# Altium PCB shepherd_pcb_v2.2.PcbDoc (part 1 of 3) (continued)
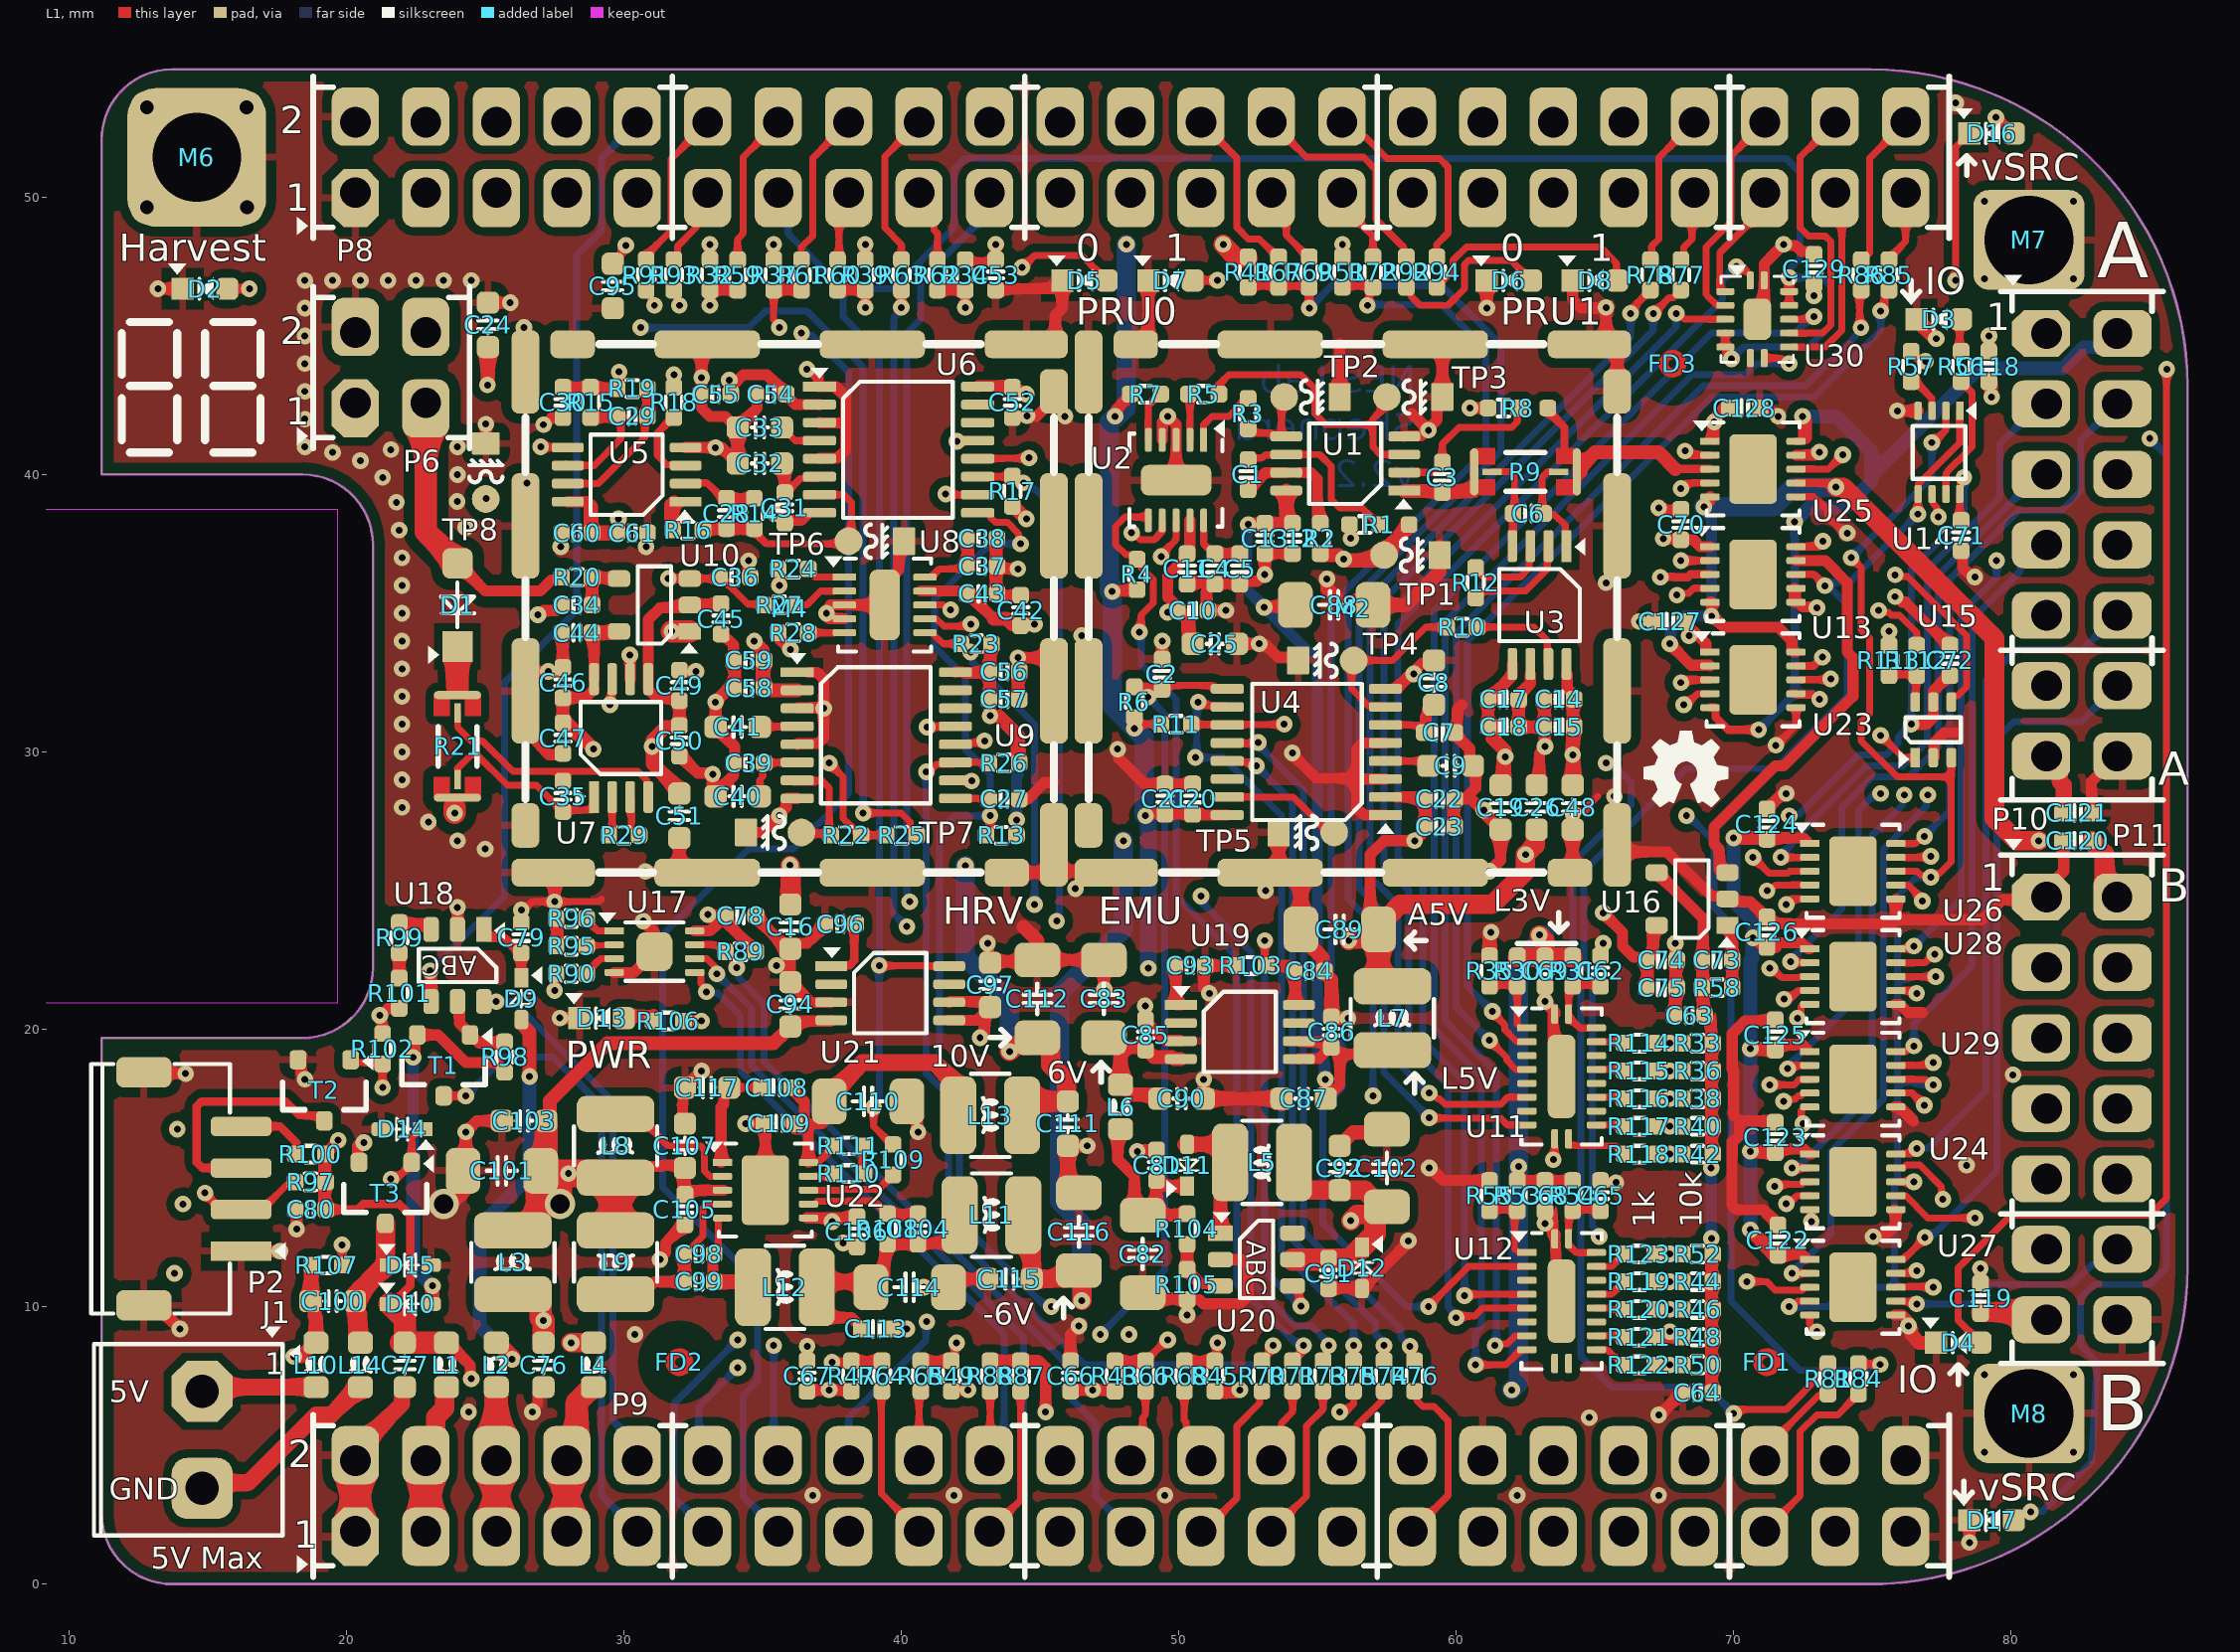
[diagram p0: L1 view]
## Components (designator, comment, footprint, x,y, rotation, side; value= is the part's Value field where it differs from the comment) (continued)
C97 "C_0603_10uF_16V" CAPC1608X09 43.2,21.6 r270 top value=10uF
C98 "C_0402_1uF_25V" CAPC1005X06 32.7,11.9 r0 top value=1uF
C99 "C_0402_1uF_25V" CAPC1005X06 32.7,10.9 r180 top value=1uF
C100 "C_0603_10uF_16V" CAPC1608X09 19.5,10.2 r180 top value=10uF
C101 "C_1206_100uF_6V3" CAPC3216X18 25.6,14.9 r0 top value=100uF
C102 "C_1206_100uF_6V3" CAPC3216X18 57.5,15 r270 top value=100uF
C103 "C_0603_10uF_16V" CAPC1608X09 26.4,16.7 r0 top value=10uF
C104 "C_0402_47pF_50V" CAPC1005X06 40.6,12.8 r270 top value=47pF
C105 "C_0402_100nF_16V" CAPC1005X06 32.2,13.5 r90 top value=100nF
C106 "C_0402_1uF_25V" CAPC1005X06 38.4,12.7 r270 top value=1uF
C107 "C_0603_10uF_16V" CAPC1608X09 32.2,15.8 r270 top value=10uF
C108 "C_0402_100nF_16V" CAPC1005X06 35.5,17.9 r0 top value=100nF
C109 "C_0402_1uF_25V" CAPC1005X06 35.6,16.6 r0 top value=1uF
C110 "C_1206_47uF_10V" CAPC3216X18 38.8,17.4 r180 top value=47uF
C111 "C_0603_10uF_16V" CAPC1608X09 46,16.6 r90 top value=10uF
C112 "C_1206_47uF_10V" CAPC3216X18 44.9,21.1 r270 top value=47uF
C113 "C_0402_1uF_25V" CAPC1005X06 39.1,9.2 r180 top value=1uF
C114 "C_1206_47uF_10V" CAPC3216X18 40.3,10.7 r180 top value=47uF
C115 "C_0603_10uF_16V" CAPC1608X09 43.9,11 r0 top value=10uF
C116 "C_1206_47uF_10V" CAPC3216X18 46.4,12.7 r270 top value=47uF
C117 "C_0603_10uF_16V" CAPC1608X09 33,17.9 r0 top value=10uF
C118 "C_0402_100nF_16V" CAPC1005X06 79.2,43.9 r270 top value=100nF
C119 "C_0402_1uF_25V" CAPC1005X06 78.9,10.3 r270 top value=1uF
C120 "C_0402_100nF_16V" CAPC1005X06 82.4,26.8 r0 top value=100nF
C121 "C_0402_1uF_25V" CAPC1005X06 82.4,27.8 r180 top value=1uF
C122 "C_0402_100nF_16V" CAPC1005X06 71.6,12.4 r270 top value=100nF
C123 "C_0402_100nF_16V" CAPC1005X06 71.5,16.1 r270 top value=100nF
C124 "C_0402_100nF_16V" CAPC1005X06 71.2,27.4 r270 top value=100nF
C125 "C_0402_100nF_16V" CAPC1005X06 71.5,19.8 r270 top value=100nF
C126 "C_0402_100nF_16V" CAPC1005X06 71.2,23.5 r270 top value=100nF
C127 "C_0402_100nF_16V" CAPC1005X06 67.7,34.7 r0 top value=100nF
C128 "C_0402_100nF_16V" CAPC1005X06 70.4,42.4 r180 top value=100nF
C129 "C_0402_100nF_16V" CAPC1005X06 72.9,47.4 r270 top value=100nF
D1 "D_SOD123W_710mV_1A" SODFL350X110-2N 24,35.3 r90 top value="710mV / 100V"
D2 "D_LED_0603_Amber" "DIOM1608X02N Orange" 14.9,46.7 r0 top value=Amber
D3 "D_LED_0603_Amber" "DIOM1608X02N Orange" 77.4,45.6 r0 top value=Amber
D4 "D_LED_0603_Amber" "DIOM1608X02N Orange" 78.1,8.7 r0 top value=Amber
D5 "D_LED_0603_Amber" "DIOM1608X02N Orange" 46.6,47 r0 top value=Amber
D6 "D_LED_0603_Amber" "DIOM1608X02N Orange" 61.9,47 r0 top value=Amber
D7 "D_LED_0603_Green" "DIOM1608X02N Green" 49.7,47 r0 top value=Green
D8 "D_LED_0603_Green" "DIOM1608X02N Green" 65,47 r0 top value=Green
D9 "D_SOD523_370mV_500mA" SODFL160X70-2N 26.3,21.1 r270 top value="370mV / 30V"
D10 "D_SOD523_370mV_500mA" SODFL160X70-2N 22.3,10.1 r0 top value="370mV / 30V"
D11 "D_SOD523_370mV_500mA" SODFL160X70-2N 50.3,15.1 r90 top value="370mV / 30V"
D12 "D_SOD523_370mV_500mA" SODFL160X70-2N 56.6,11.4 r270 top value="370mV / 30V"
D13 "D_LED_0603_Green" "DIOM1608X02N Green" 29.2,20.4 r0 top value=Green
D14 "D_SOD523_370mV_500mA" SODFL160X70-2N 22,16.4 r180 top value="370mV / 30V"
D15 "D_SOD523_370mV_500mA" SODFL160X70-2N 22.3,11.5 r0 top value="370mV / 30V"
D16 "D_LED_0603_Green" "DIOM1608X02N Green" 79.3,52.3 r0 top value=Green
D17 "D_LED_0603_Green" "DIOM1608X02N Green" 79.3,2.3 r0 top value=Green
FD1 "Fiducial" M_Fiducial_3mm 71.2,8 r0 top locked
FD2 "Fiducial" M_Fiducial_3mm 32,8 r0 top locked
FD3 "Fiducial" M_Fiducial_3mm 67.8,44 r0 top locked
J1 "J_T1x2_3.5mm_Screw" P_Phoenix_1984617 14.8,5.2 r270 top locked
L1 "FB_0603_Z600R_1300mA" INDC1608X08 23.6,7.9 r90 top value=150mR
L2 "FB_0603_Z600R_1300mA" INDC1608X08 25.4,7.9 r270 top value=150mR
L3 "NR3015T1R5M" INDP3030X15N 26,11.6 r90 top value=1.5uH
L4 "FB_0603_Z600R_1300mA" INDC1608X08 28.9,7.9 r90 top value=150mR
L5 "NR3015T150M" INDP3030X15N 53,15.2 r180 top value=15uH
L6 "FB_0603_Z600R_1300mA" INDC1608X08 47.9,17.2 r90 top value=150mR
L7 "NR3015T1R5M" INDP3030X15N 57.7,20.4 r90 top value=1.5uH
L8 "NR3015T150M" INDP3030X15N 29.7,15.8 r90 top value=15uH
L9 "NR3015T150M" INDP3030X15N 29.7,11.6 r270 top value=15uH
L10 "FB_0603_Z600R_1300mA" INDC1608X08 18.9,7.9 r90 top value=150mR
L11 "NR3015T1R5M" INDP3030X15N 43.25,13.3 r0 top value=1.5uH
L12 "NR3015T150M" INDP3030X15N 35.8,10.7 r0 top value=15uH
L13 "NR3015T1R5M" INDP3030X15N 43.2,16.9 r0 top value=1.5uH
L14 "FB_0603_Z600R_1300mA" INDC1608X08 20.5,7.9 r90 top value=150mR
M2 "SMS-455Frame" SMS-455F 46.25,25.15 r0 top locked
M4 "SMS-455Frame" SMS-455F 25.95,25.15 r0 top locked
M6 "Mounting_Hole" M_Mountinghole_3.2mm 14.605,51.435 r0 top locked
M7 "Mounting_Hole" M_Mountinghole_3.2mm_min 80.645,48.46 r0 top locked
M8 "Mounting_Hole" M_Mountinghole_3.2mm_min 80.645,6.15 r0 top locked
P2 "JST_S4B_ZR-SM4A" P_JST_S4B-ZR-SM4A 16.2,12 r180 top locked
P6 "HDR_2x2_2.54mm_header" P_Pinheader_2x2_R2.54mm 20.32,42.584 r0 top
P8 "Beaglebone P8" P_Pinheader_2x23_R2.54mm_LongPinHeader 20.32,50.165 r0 top locked
P9 "Beaglebone P9" P_Pinheader_2x23_R2.54mm_LongPinHeader 20.32,1.905 r0 top locked
P10 "HDR_2x7_2.54mm_header" P_Pinheader_2x7_R2.54mm_target 81.28,45.088 r270 top locked
P11 "HDR_2x7_2.54mm_header" P_Pinheader_2x7_R2.54mm_male 81.28,24.768 r270 top locked
P12 "HDR_1x3_jmp" P_Pinheader_1x3_R2.54mm_SMD 13.1,16.74 r270 bottom
R1 "R_0402_1k" RESC1005X04-SEL 56.7,38.2 r0 top value=1k
R2 "R_0402_2R" RESC1005X04 55.1,37.7 r270 top value=2R
R3 "R_0402_1k" RESC1005X04 52.5,42.2 r270 top value=1k
R4 "R_0402_10k" RESC1005X04 48.5,36.4 r270 top value=10k
R5 "R_0402_1k" RESC1005X04 50.9,42.9 r0 top value=1k
R6 "R_0402_10k" RESC1005X04 48.4,31.8 r90 top value=10k
R7 "R_0402_10k" RESC1005X04 48.8,42.9 r180 top value=10k
R8 "R_0402_1k" RESC1005X04-SEL 61.7,42.4 r0 top value=1k
R9 "R_1206_2R_0.25%" "RESC3116X06 Shunt" 62.5,40.1 r0 top value=2R
R10 "R_0402_100k_1%" RESC1005X04 60.2,34.5 r180 top value=100k
R11 "R_0402_10k" RESC1005X04 49.9,31 r0 top value=10k
R12 "R_0402_210R_0.1%" RESC1005X04 60.7,36.1 r270 top value=210R
R13 "R_0402_10k" RESC1005X04 43.6,27 r180 top value=10k
R14 "R_0402_1k" RESC1005X04 34.7,38.6 r270 top value=1k
R15 "R_0402_1k" RESC1005X04 28.8,42.6 r90 top value=1k
R16 "R_0402_1k" RESC1005X04 32.3,38 r0 top value=1k
R17 "R_0402_10k" RESC1005X04 44,39.4 r270 top value=10k
R18 "R_0402_1k" RESC1005X04 31.8,42.6 r270 top value=1k
R19 "R_0402_10R" RESC1005X04 30.3,43.1 r180 top value=10R
R20 "R_0402_1k" RESC1005X04 28.3,36.3 r180 top value=1k
R21 "R_1206_2R_0.25%" "RESC3116X06 Shunt" 24,30.2 r270 top value=2R
R22 "R_0402_100k_1%" RESC1005X04 38,27 r180 top value=100k
R23 "R_0402_10k" RESC1005X04 42.7,33.9 r0 top value=10k
R24 "R_0402_1k" RESC1005X04 36.1,36.6 r180 top value=1k
R25 "R_0402_470R" RESC1005X04 40,27 r180 top value=470R
R26 "R_0402_10k" RESC1005X04 43.7,29.6 r0 top value=10k
R27 "R_0402_1k" RESC1005X04 35.6,35.3 r180 top value=1k
R28 "R_0402_10k" RESC1005X04 36.1,34.3 r180 top value=10k
R29 "R_0402_210R_0.1%" RESC1005X04 30,27 r180 top value=210R
R30 "R_0402_1M" RESC1005X04 62.2,22.1 r90 top value=1M
R31 "R_0402_240k_1%" RESC1005X04 64.2,22.1 r90 top value=240k
R32 "R_0402_10k" RESC1005X04 33.1,47.2 r90 top value=10k
R33 "R_0402_10k" RESC1005X04 68.7,19.5 r0 top value=10k
R34 "R_0402_10k" RESC1005X04 42.3,47.2 r90 top value=10k
R35 "R_0402_100k_1%" RESC1005X04 61.2,22.1 r90 top value=100k
R36 "R_0402_10k" RESC1005X04 68.7,18.5 r0 top value=10k
R37 "R_0402_10k" RESC1005X04 35.4,47.2 r90 top value=10k
R38 "R_0402_10k" RESC1005X04 68.7,17.5 r0 top value=10k
R39 "R_0402_10k" RESC1005X04 38.7,47.2 r90 top value=10k
R40 "R_0402_10k" RESC1005X04 68.7,16.5 r0 top value=10k
R41 "R_0402_10k" RESC1005X04 52.5,47.3 r90 top value=10k
R42 "R_0402_10k" RESC1005X04 68.7,15.5 r0 top value=10k
R43 "R_0402_10k" RESC1005X04 47.7,7.5 r270 top value=10k
R44 "R_0402_10k" RESC1005X04 68.7,10.9 r0 top value=10k
R45 "R_0402_10k" RESC1005X04 51.3,7.5 r270 top value=10k
R46 "R_0402_10k" RESC1005X04 68.7,9.9 r0 top value=10k
R47 "R_0402_10k" RESC1005X04 38.2,7.5 r270 top value=10k
R48 "R_0402_10k" RESC1005X04 68.7,8.9 r0 top value=10k
R49 "R_0402_10k" RESC1005X04 41.8,7.5 r270 top value=10k
R50 "R_0402_10k" RESC1005X04 68.7,7.9 r0 top value=10k
R51 "R_0402_10k" RESC1005X04 55.9,47.3 r90 top value=10k
R52 "R_0402_10k" RESC1005X04 68.7,11.9 r0 top value=10k
R53 "R_0402_1M" RESC1005X04 62.2,14 r90 top value=1M
R54 "R_0402_240k_1%" RESC1005X04 64.2,14 r90 top value=240k
R55 "R_0402_100k_1%" RESC1005X04 61.2,14 r90 top value=100k
R56 "R_0402_1k" RESC1005X04 78.2,43.9 r90 top value=1k
R57 "R_0402_1k" RESC1005X04 76.4,43.9 r90 top value=1k
R58 "R_0402_10R" RESC1005X04 69.4,21.5 r180 top value=10R
R59 "R_0402_1k" RESC1005X04 34.1,47.2 r270 top value=1k
R60 "R_0402_1k" RESC1005X04 37.7,47.2 r90 top value=1k
R61 "R_0402_1k" RESC1005X04 36.4,47.2 r270 top value=1k
R62 "R_0402_1k" RESC1005X04 41.3,47.2 r90 top value=1k
R63 "R_0402_1k" RESC1005X04 40,47.2 r270 top value=1k
R64 "R_0402_1k" RESC1005X04 39.3,7.5 r270 top value=1k
R65 "R_0402_1k" RESC1005X04 40.7,7.5 r90 top value=1k
R66 "R_0402_1k" RESC1005X04 48.8,7.5 r90 top value=1k
R67 "R_0402_1k" RESC1005X04 53.6,47.3 r270 top value=1k
R68 "R_0402_1k" RESC1005X04 50.2,7.5 r90 top value=1k
R69 "R_0402_33R" RESC1005X04 54.7,47.3 r90 top value=33R
R70 "R_0402_33R" RESC1005X04 53,7.5 r90 top value=33R
R71 "R_0402_33R" RESC1005X04 54.1,7.5 r90 top value=33R
R72 "R_0402_33R" RESC1005X04 57,47.3 r270 top value=33R
R73 "R_0402_33R" RESC1005X04 55.2,7.5 r90 top value=33R
R74 "R_0402_33R" RESC1005X04 57.4,7.5 r270 top value=33R
R75 "R_0402_33R" RESC1005X04 56.3,7.5 r90 top value=33R
R76 "R_0402_33R" RESC1005X04 58.5,7.5 r90 top value=33R
R77 "R_0402_33R" RESC1005X04 68.1,47.2 r90 top value=33R
R78 "R_0402_33R" RESC1005X04 67,47.2 r90 top value=33R
R81 "R_0402_33R" RESC1005X04 73.4,7.4 r90 top value=33R
R84 "R_0402_33R" RESC1005X04 74.5,7.4 r90 top value=33R
R85 "R_0402_33R" RESC1005X04 75.6,47.2 r90 top value=33R
R86 "R_0402_33R" RESC1005X04 74.6,47.2 r90 top value=33R
R87 "R_0402_10k" RESC1005X04 44.3,7.5 r90 top value=10k
R88 "R_0402_10k" RESC1005X04 43.2,7.5 r90 top value=10k
R89 "R_0402_10k" RESC1005X04 34.2,22.8 r0 top value=10k
R90 "R_0402_10k" RESC1005X04 28.1,22 r180 top value=10k
R91 "R_0402_1k" RESC1005X04 30.8,47.2 r90 top value=1k
R92 "R_0402_1k" RESC1005X04 58.2,47.3 r90 top value=1k
R93 "R_0402_1k" RESC1005X04 31.8,47.2 r90 top value=1k
R94 "R_0402_1k" RESC1005X04 59.3,47.3 r90 top value=1k
R95 "R_0402_10k" RESC1005X04 28.1,23 r0 top value=10k
R96 "R_0402_10k" RESC1005X04 28.1,24 r0 top value=10k
R97 "R_0402_10k" RESC1005X04 18.7,14.5 r0 top value=10k
R98 "R_0402_10k" RESC1005X04 25.7,19 r90 top value=10k
R99 "R_0402_24k" RESC1005X04 21.9,23.3 r270 top value=24k
R100 "R_0402_470R" RESC1005X04 18.7,15.5 r180 top value=470R
R101 "R_0402_100k_1%" RESC1005X04 21.9,21.3 r90 top value=100k
R102 "R_0402_10k" RESC1005X04 21.3,19.3 r270 top value=10k
R103 "R_0402_10k" RESC1005X04 52.6,22.3 r0 top value=10k
R104 "R_0402_576k_1%" RESC1005X04 50.3,12.8 r90 top value=576k
R105 "R_0402_100k_1%" RESC1005X04 50.3,10.8 r90 top value=100k
R106 "R_0402_470R" RESC1005X04 31.6,20.3 r0 top value=470R
R107 "R_0402_10k" RESC1005X04 19.3,11.5 r180 top value=10k
R108 "R_0402_240k_1%" RESC1005X04 39.5,12.8 r270 top value=240k
R109 "R_0402_470R" RESC1005X04 39.7,15.3 r90 top value=470R
R110 "R_0402_240k_1%" RESC1005X04 38.1,14.8 r0 top value=240k
R111 "R_0402_100k_1%" RESC1005X04 38.1,15.8 r180 top value=100k
R112 "R_0402_1k" RESC1005X04 76.6,33.3 r270 top value=1k
R113 "R_0402_1k" RESC1005X04 75.6,33.3 r270 top value=1k
R114 "R_0402_1k" RESC1005X04 66.6,19.5 r0 top value=1k
R115 "R_0402_1k" RESC1005X04 66.6,18.5 r0 top value=1k
R116 "R_0402_1k" RESC1005X04 66.6,17.5 r0 top value=1k
R117 "R_0402_1k" RESC1005X04 66.6,16.5 r0 top value=1k
R118 "R_0402_1k" RESC1005X04 66.6,15.5 r0 top value=1k
R119 "R_0402_1k" RESC1005X04 66.6,10.9 r0 top value=1k
R120 "R_0402_1k" RESC1005X04 66.6,9.9 r0 top value=1k
R121 "R_0402_1k" RESC1005X04 66.6,8.9 r0 top value=1k
R122 "R_0402_1k" RESC1005X04 66.6,7.9 r0 top value=1k
R123 "R_0402_1k" RESC1005X04 66.6,11.9 r0 top value=1k
T1 "BSH105" SOT95P230X110-3N 23.5,18.7 r270 top
T2 "BSH105" SOT95P230X110-3N 19.2,17.8 r270 top
T3 "BSH105" SOT95P230X110-3N 21.4,14.1 r270 top
TP1 "Testpoint" P_Testpins_Precision 57.4,37.1 r0 top
TP2 "Testpoint" P_Testpins_Precision 53.8,42.8 r0 top
TP3 "Testpoint" P_Testpins_Precision 57.5,42.8 r0 top
TP4 "Testpoint" P_Testpins_Precision 56.3,33.3 r180 top
TP5 "Testpoint" P_Testpins_Precision 55.6,27.1 r180 top
TP6 "Testpoint" P_Testpins_Precision 38.1,37.6 r0 top
TP7 "Testpoint" P_Testpins_Precision 36.4,27.1 r180 top
TP8 "Testpoint" P_Testpins_Precision 25.021,39.121 r90 top
U1 "OPA2388" TSOP65P490X110-8N 56,40.4 r180 top
U2 "DAC8562" PSON50P300X80_HS-11N 49.9,39.8 r270 top
U3 "AD8421B" TSOP65P490X110-8N 63,35.3 r270 top
U4 "ADS8691" TSOP65P640X120-16N 54.6,30 r180 top
U5 "OPA2388" TSOP65P490X110-8N 30.1,40 r180 top
U6 "ADS8691" TSOP65P640X120-16N 39.9,40.9 r0 top
U7 "AD8421B" TSOP65P490X110-8N 29.9,30.5 r90 top
U8 "DAC8562" PSON50P300X80_HS-11N 39.4,35.3 r0 top
U9 "ADS8691" TSOP65P640X120-16N 39.1,30.6 r0 top
U10 "OPA189" SOT95P280X145-5N 31.1,35.3 r180 top
U11 "LSF0108" QFN50P250X450X100_HS-21N 63.8,18.3 r0 top
U12 "LSF0108" QFN50P250X450X100_HS-21N 63.8,10.2 r0 top
U13 "NLAS4684" PSON50P300X100_HS-11N 70.7,36.4 r0 top
U14 "TC7WH08FK" TSSOP50P310X80-8N 77.4,40.8 r270 top
U15 "HCT2G04" SOT65P210X110-6N 77.196,30.797 r90 top
U16 "OPA388" SOT95P280X145-5N 68.5,24.7 r180 top
U17 "CAT24C256" PSON50P300X55_HS-9N 31.1,22.8 r0 top
U18 "TPL5010" SOT95P280X100-6N 24,22.3 r270 top
U19 "LP2989-5.0" TSOP65P490X110-8N 52.2,19.9 r0 top
U20 "MP3221" SOT95P280X100-6N 52.8,11.7 r0 top
U21 "LP2989-3.3" TSOP65P490X110-8N 39.6,21.3 r0 top
U22 "LT3487" PSON50P300X100_HS-11N 35.1,14.2 r0 top
U23 "NLAS4684" PSON50P300X100_HS-11N 70.7,32.6 r0 top
U24 "NLAS4684" PSON50P300X100_HS-11N 74.3,14.5 r0 top
U25 "NLAS4684" PSON50P300X100_HS-11N 70.7,40.2 r0 top
U26 "NLAS4684" PSON50P300X100_HS-11N 74.3,25.7 r0 top
U27 "NLAS4684" PSON50P300X100_HS-11N 74.3,10.7 r0 top
U28 "NLAS4684" PSON50P300X100_HS-11N 74.3,21.9 r0 top
U29 "NLAS4684" PSON50P300X100_HS-11N 74.3,18.2 r0 top
U30 "74HC4066" PQFN50P250X300X100_HS-15N 70.85,45.6 r0 top

## Footprints (in the part's own frame and the unit in brackets; to place one, negate y for a bottom-side part, rotate by r counter-clockwise, add the part's x,y. Pads: shape width x height; smd on the part's side, far side on the other; paste and mask are expansions set on the pad)
CAPC1005X06 [mm] "0402 Capacitor, 2-Leads, Body 1,05x0,53mm"
  rrect50% 0.6x0.6 smd paste+0: 1(-0.55,0) 2(0.55,0)
  silkscreen extent -0.15,-0.28 0.15,0.28, body extent -0.55,-0.28 0.55,0.28, height 0.55
CAPC1608X09 [mm] "0603 Capacitor, 2-Leads, Body 1,65x0,83mm"
  rrect50% 0.8x0.8 smd paste-0.05: 1(-0.8,0) 2(0.8,0)
  silkscreen extent -0.3,-0.35 0.3,0.35, body extent -0.85,-0.43 0.85,0.43, height 0.9
CAPC3216X18 [mm] "Chip Capacitor, Body 3,20x1,60mm"
  rrect50% 1.25x1.65 smd paste-0.1: 1(-1.4,0) 2(1.4,0)
  silkscreen extent -0.55,-0.5 0.55,0.5, body extent -1.7,-0.87 1.7,0.87, height 1.8
"DIOM1608X02N Green" [mm] "Molded Diode, 2-Leads, Body 1,60x0,80mm"
  rect 0.8x0.8 smd paste-0.05: 1(-0.8,0)
  rrect50% 0.8x0.8 smd paste-0.05: 2(0.8,0)
  silkscreen extent -1.32,-0.4 0.3,0.9, body extent -0.94,-0.45 0.94,0.45, height 0.4
"DIOM1608X02N Orange" [mm] "Molded Diode, 2-Leads, Body 1,60x0,80mm"
  rect 0.8x0.8 smd paste-0.05: 1(-0.8,0)
  rrect50% 0.8x0.8 smd paste-0.05: 2(0.8,0)
  silkscreen extent -1.32,-0.4 0.3,0.9, body extent -0.94,-0.45 0.94,0.45, height 0.4
INDC1608X08 [mm] "Chip Inductor, 2-Leads, Body 1,60x0,80mm"
  rrect50% 0.8x0.9 smd paste-0.05: 1(-0.8,0) 2(0.8,0)
  silkscreen extent -0.25,-0.37 0.25,0.36, body extent -0.85,-0.45 0.85,0.45, height 0.75
INDP3030X15N [mm] "Precision Wire Wound Inductor, 2-Leads, Body 3,00x3,00mm, IPC Medium Density"
  rrect50% 1.3x2.8 smd paste-0.05: 1(-1.15,0) 2(1.15,0)
  silkscreen extent -0.7,-1.5 0.7,1.5, body extent -1.6,-1.5 1.6,1.5, height 1.6
M_Fiducial_3mm [mm]
  L1 circle w0.34: c0,0 r0.33
M_Mountinghole_3.2mm [mm]
  rrect40% 5x5 hole 3.2: 1(0,0)
M_Mountinghole_3.2mm_min [mm]
  rrect30% 4x3.6 / inner rrect30% 3.6x3.6 / far side rrect30% 4x3.6 hole 3.2: 1(0,0)
P_JST_S4B-ZR-SM4A [mm]
  rect 2.2x0.7 smd: 1(0,0)
  rrect50% 2.2x0.7 smd: 2(0,-1.5) 3(0,-3) 4(0,-4.5)
  rrect50% 2x1.1 smd: 5(3.5,1.95) 5(3.5,-6.45)
  silkscreen extent -1.6,-6.75 5.4,2.25, body extent -1.1,-6.75 5.4,2.25, height 3.7
P_Phoenix_1984617 [mm]
  oct 2.2x2.2 hole 1.2 paste-5: 1(-1.75,0)
  rrect50% 2.2x2.2 hole 1.2 paste-5: 2(1.75,0)
  silkscreen extent -4.07,-3.9 3.45,3.52, body extent -3.65,-4.5 4.05,3.05, height 9.15
P_Pinheader_1x3_R2.54mm_SMD [mm]
  oct 1.8x2.5 smd paste-5: 1(0,0)
  rrect50% 1.8x2.5 smd paste-5: 2(2.54,0) 3(5.08,0)
  silkscreen extent -1.52,-1.79 6.6,1.7
P_Pinheader_2x2_R2.54mm [mm]
  oct 1.7x2.1 / inner rrect50% 1.5x1.9 / far side oct 1.7x2.1 hole 1.1 copper offset 0,-0.2: 1(0,0)
  rrect50% 1.7x2.1 / inner rrect50% 1.5x1.9 / far side rrect50% 1.7x2.1 hole 1.1 copper offset 0,0.2: 2(0,2.54) 4(2.54,2.54)
  rrect50% 1.7x2.1 / inner rrect50% 1.5x1.9 / far side rrect50% 1.7x2.1 hole 1.1 copper offset 0,-0.2: 3(2.54,0)
  silkscreen extent -2.1,-1.65 4.11,4.2, body extent -1.26,-1.28 3.82,3.8, height 8.38
P_Pinheader_2x7_R2.54mm_male [mm]
  oct 1.7x2.1 / inner rrect50% 1.5x1.9 / far side oct 1.7x2.1 hole 1.1 copper offset 0,-0.2: 1(0,0)
  rrect50% 1.7x2.1 / inner rrect50% 1.5x1.9 / far side rrect50% 1.7x2.1 hole 1.1 copper offset 0,0.2: 2(0,2.54) 4(2.54,2.54) 6(5.08,2.54) 8(7.62,2.54) 10(10.16,2.54) 12(12.7,2.54) 14(15.24,2.54)
  rrect50% 1.7x2.1 / inner rrect50% 1.5x1.9 / far side rrect50% 1.7x2.1 hole 1.1 copper offset 0,-0.2: 3(2.54,0) 5(5.08,0) 7(7.62,0) 9(10.16,0) 11(12.7,0) 13(15.24,0)
  silkscreen extent -2.09,-1.65 16.81,4.2, body extent -1.27,-1.27 16.51,3.81, height 8.38
P_Pinheader_2x7_R2.54mm_target [mm]
  oct 1.7x2.1 / inner rrect50% 1.5x1.9 / far side oct 1.7x2.1 hole 1.1 copper offset 0,-0.2: 1(0,0)
  rrect50% 1.7x2.1 / inner rrect50% 1.5x1.9 / far side rrect50% 1.7x2.1 hole 1.1 copper offset 0,0.2: 2(0,2.54) 4(2.54,2.54) 6(5.08,2.54) 8(7.62,2.54) 10(10.16,2.54) 12(12.7,2.54) 14(15.24,2.54)
  rrect50% 1.7x2.1 / inner rrect50% 1.5x1.9 / far side rrect50% 1.7x2.1 hole 1.1 copper offset 0,-0.2: 3(2.54,0) 5(5.08,0) 7(7.62,0) 9(10.16,0) 11(12.7,0) 13(15.24,0)
  silkscreen extent -2.11,-1.65 16.81,4.2, body extent -3.68,-5.4 17.58,3.81, height 41
P_Pinheader_2x23_R2.54mm_LongPinHeader [mm]
  oct 1.7x2.1 / inner rrect50% 1.5x1.9 / far side oct 1.7x2.1 hole 1.1 copper offset 0,-0.2: 1(0,0)
  rrect50% 1.7x2.1 / inner rrect50% 1.5x1.9 / far side rrect50% 1.7x2.1 hole 1.1 copper offset 0,0.2: 2(0,2.54) 4(2.54,2.54) 6(5.08,2.54) 8(7.62,2.54) 10(10.16,2.54) 12(12.7,2.54) 14(15.24,2.54) 16(17.78,2.54) 18(20.32,2.54) 20(22.86,2.54) 22(25.4,2.54) 24(27.94,2.54) 26(30.48,2.54) 28(33.02,2.54) 30(35.56,2.54) 32(38.1,2.54) 34(40.64,2.54) 36(43.18,2.54) 38(45.72,2.54) 40(48.26,2.54) 42(50.8,2.54) 44(53.34,2.54) 46(55.88,2.54)
  rrect50% 1.7x2.1 / inner rrect50% 1.5x1.9 / far side rrect50% 1.7x2.1 hole 1.1 copper offset 0,-0.2: 3(2.54,0) 5(5.08,0) 7(7.62,0) 9(10.16,0) 11(12.7,0) 13(15.24,0) 15(17.78,0) 17(20.32,0) 19(22.86,0) 21(25.4,0) 23(27.94,0) 25(30.48,0) 27(33.02,0) 29(35.56,0) 31(38.1,0) 33(40.64,0) 35(43.18,0) 37(45.72,0) 39(48.26,0) 41(50.8,0) 43(53.34,0) 45(55.88,0)
  silkscreen extent -2.1,-1.65 57.45,4.2, body extent -1.5,-1.2 57.42,3.75, height 8.51
P_Testpins_Precision [mm]
  round 1 smd paste-5: 1(0,0)
  rrect10% 0.8x1 smd paste-5: 2(2,0)
  silkscreen extent 0.6,-0.6 1.4,0.6
PQFN50P250X300X100_HS-15N [mm] "DHVQFN14, 14-Leads, Body 2,50x3,00mm, Pitch 0,50mm, Thermal Pad 1,00x1,50mm, IPC Medium Density"
  rrect50% 0.25x0.65 smd paste-5: 1(-0.25,1.4) 7(-0.25,-1.4) 8(0.25,-1.4) 14(0.25,1.4)
  rrect50% 0.65x0.25 smd paste-5: 2(-1.15,1) 3(-1.15,0.5) 4(-1.15,0) 5(-1.15,-0.5) 6(-1.15,-1) 9(1.15,-1) 10(1.15,-0.5) 11(1.15,0) 12(1.15,0.5) 13(1.15,1)
  rrect50% 1x1.5 smd paste-0.15: 15(0,0)
  silkscreen extent -1.3,-1.55 1.3,1.96, body extent -1.3,-1.55 1.3,1.55, height 1
PSON50P300X55_HS-9N [mm] "UDFN8, Body 2,00x3,00mm, Pitch 0,50mm, Thermal Pad 1,40x1,30mm"
  rect 0.7x0.25 smd paste-5: 1(-1.45,0.75)
  rrect50% 0.7x0.25 smd paste-5: 2(-1.45,0.25) 3(-1.45,-0.25) 4(-1.45,-0.75) 5(1.45,-0.75) 6(1.45,-0.25) 7(1.45,0.25) 8(1.45,0.75)
  rrect50% 1.3x1.4 smd paste-5: 9(0,0)
  silkscreen extent -2.02,-1.05 1.05,1.4, body extent -1.55,-1.05 1.55,1.05, height 0.55
PSON50P300X80_HS-11N [mm] "S-PWSON-N10, Body 3,00x3,00mm, Pitch 0,50mm, Thermal Pad 2,55x1,10mm"
  rect 0.85x0.25 smd paste-5: 1(-1.45,1)
  rrect50% 0.85x0.25 smd paste-5: 2(-1.45,0.5) 3(-1.45,0) 4(-1.45,-0.5) 5(-1.45,-1) 6(1.45,-1) 7(1.45,-0.5) 8(1.45,0) 9(1.45,0.5) 10(1.45,1)
  rrect50% 1.1x2.55 smd paste-5: 11(0,0)
  silkscreen extent -2.17,-1.68 1.68,1.75, body extent -1.58,-1.58 1.58,1.58, height 0.8
PSON50P300X100_HS-11N [mm] "DFN-10, Body 3,00x3,00mm, Pitch 0,50mm, Thermal Pad 2,50x1,62mm"
  rect 0.7x0.25 smd paste-5: 1(-1.55,1)
  rrect50% 0.7x0.25 smd paste-5: 2(-1.55,0.5) 3(-1.55,0) 4(-1.55,-0.5) 5(-1.55,-1) 6(1.55,-1) 7(1.55,-0.5) 8(1.55,0) 9(1.55,0.5) 10(1.55,1)
  rrect20% 1.7x2.5 smd paste-3: 11(0,0)
  silkscreen extent -2.17,-1.68 1.68,1.75, body extent -1.58,-1.58 1.58,1.58, height 1
QFN50P250X450X100_HS-21N [mm] "DHVQFN20, Body 2,50x4,50mm, Pitch 0,50mm, Thermal Pad 1,00x2,98mm"
  rrect50% 0.25x0.7 smd paste-5: 1(-0.25,2.25) 10(-0.25,-2.25) 11(0.25,-2.25) 20(0.25,2.25)
  rect 0.7x0.25 smd paste-5: 2(-1.25,1.75)
  rrect50% 0.7x0.25 smd paste-5: 3(-1.25,1.25) 4(-1.25,0.75) 5(-1.25,0.25) 6(-1.25,-0.25) 7(-1.25,-0.75) 8(-1.25,-1.25) 9(-1.25,-1.75) 12(1.25,-1.75) 13(1.25,-1.25) 14(1.25,-0.75) 15(1.25,-0.25) 16(1.25,0.25) 17(1.25,0.75) 18(1.25,1.25) 19(1.25,1.75)
  rrect50% 1x3 smd paste-3: 21(0,0)
  silkscreen extent -1.87,-2.45 1.45,2.52, body extent -1.3,-2.3 1.3,2.3, height 1
RESC1005X04 [mm] "Chip Resistor, 2-Leads, Body 1,02x0,53mm"
  rrect50% 0.6x0.6 smd paste+0: 1(-0.55,0) 2(0.55,0)
  silkscreen extent -0.2,-0.3 0.2,0.3, body extent -0.53,-0.28 0.53,0.28, height 0.4
RESC1005X04-SEL [mm] "Resistor Switch, 3-Leads, Body 1,02x0,53mm"
  rrect50% 0.6x0.6 smd paste+0: 1(-0.55,0) 2(0.55,0)
  rrect50% 0.6x0.6 smd paste-5: 3(1.6,0)
  silkscreen extent -0.2,-0.3 0.2,0.3, body extent -0.53,-0.28 1.62,0.28, height 0.4
"RESC3116X06 Shunt" [mm] "1206 Chip Resistor, 4-Leads, Body 3,10x1,60mm"
  oval 0.3x1.7 smd paste-5: 1(-1.85,0) 2(1.85,0)
  rect 0.7x0.24 smd paste-5 mask+0.15: 3(1.2,0) 4(-1.2,0)
  L1 region: 1.1,0.85 1.85,0.85 1.85,-0.85 1.1,-0.85 1.1,-0.275 1.7,-0.275 1.7,0.275 1.1,0.275
  L1 region: -1.1,-0.85 -1.85,-0.85 -1.85,0.85 -1.1,0.85 -1.1,0.275 -1.7,0.275 -1.7,-0.275 -1.1,-0.275
  silkscreen extent -0.7,-0.7 0.7,0.7, body extent -1.6,-0.85 1.6,0.85, height 0.65
SMS-455F [mm] "EMI-Shield"
  rrect50% 1x1.6 smd paste-5: 1(0.5,2.2) 1(19.55,17.85)
  rrect50% 1x3.8 smd paste-5 mask-0.1: 1(0.5,7.05) 1(0.5,13) 1(19.55,7.05) 1(19.55,13)
  rrect50% 1x3 smd paste-5: 1(0.5,18.55) 1(19.55,1.5)
  rrect50% 3x1 smd paste-5: 1(1.5,0.5) 1(18.55,19.55)
  rrect50% 1.6x1 smd paste-5: 1(2.2,19.55) 1(17.85,0.5)
  rrect50% 3.8x1 smd paste-5 mask-0.1: 1(7.05,0.5) 1(7.05,19.55) 1(13,0.5)
  rrect50% 3.8x1 smd paste-5 mask-0.102: 1(13,19.55)
  silkscreen extent 0.5,0.5 19.55,19.55, body extent 0.45,0.45 19.6,19.6, height 5.13
SODFL160X70-2N [mm] "SOD-523 SC-79, 2-Leads, Body 0,80x1,60mm"
  rect 0.7x0.5 smd paste-0.05: 1(-0.75,0)
  rrect50% 0.7x0.5 smd paste-0.05: 2(0.75,0)
  silkscreen extent -1.17,-0.4 0.29,0.75, body extent -0.8,-0.43 0.8,0.43, height 0.72
SODFL350X110-2N [mm] "SOD123W, Body 1,70x3,50mm"
  rect 1.1x1.1 smd paste-0.1: 1(-1.5,0)
  rrect50% 1.1x1.1 smd paste-0.1: 2(1.5,0)
  silkscreen extent -2.12,-0.6 0.8,1.05, body extent -1.75,-0.95 1.75,0.95, height 1.15
SOT65P210X110-6N [mm] "SOT363-N6, Body 2,00x2,10mm, Pitch 0,65mm"
  rect 0.7x0.35 smd paste-5: 1(-1,0.65)
  rrect50% 0.7x0.35 smd paste-5: 2(-1,0) 3(-1,-0.65) 4(1,-0.65) 5(1,0) 6(1,0.65)
  silkscreen extent -1.37,-0.99 0.45,1.25, body extent -1.15,-1.1 1.15,1.1, height 1.12
SOT95P230X110-3N [mm] "SOT23, 3-Leads, Body 2,90x2,30mm, Pitch 0,95mm"
  rrect50% 0.7x0.6 smd paste+0: 1(-1.1,0.95) 2(-1.1,-0.95) 3(1.1,0)
  silkscreen extent -1.37,-1.5 0.7,1.75, body extent -1.25,-1.5 1.25,1.5, height 1.12
SOT95P280X100-6N [mm] "TSOT23-6, Body 2,90x2,80mm, Pitch 0,95mm"
  rect 0.9x0.55 smd paste-0.05: 1(-1.3,0.95)
  rrect50% 0.9x0.55 smd paste-0.05: 2(-1.3,0) 3(-1.3,-0.95) 4(1.3,-0.95) 5(1.3,0) 6(1.3,0.95)
  silkscreen extent -1.57,-1.4 0.6,1.7, body extent -1.5,-1.5 1.5,1.5, height 1.02
SOT95P280X145-5N [mm] "SOT23-N5, Body 2,90x2,80mm, Pitch 0,95mm"
  rect 0.8x0.6 smd paste-0.05: 1(-1.275,0.95)
  rrect50% 0.8x0.6 smd paste-0.05: 2(-1.275,0) 3(-1.275,-0.95) 4(1.275,-0.95) 5(1.275,0.95)
  silkscreen extent -1.57,-1.39 0.6,1.75, body extent -1.5,-1.53 1.5,1.53, height 1.47
TSOP65P490X110-8N [mm] "VSSOP-N8, Body 3,00x3,00mm, Pitch 0,65mm"
  rect 1.15x0.35 smd paste-5: 1(-2.125,0.975)
  rrect50% 1.15x0.35 smd paste-5: 2(-2.125,0.325) 3(-2.125,-0.325) 4(-2.125,-0.975) 5(2.125,-0.975) 6(2.125,-0.325) 7(2.125,0.325) 8(2.125,0.975)
  silkscreen extent -2.42,-1.44 1.3,1.65, body extent -2.45,-1.55 2.45,1.55, height 1.1
TSOP65P640X120-16N [mm] "TSSOP-16, Body 5,00x4,40mm, Pitch 0,65mm"
  rect 1.2x0.35 smd paste-5: 1(-2.85,2.275)
  rrect50% 1.2x0.35 smd paste-5: 2(-2.85,1.625) 3(-2.85,0.975) 4(-2.85,0.325) 5(-2.85,-0.325) 6(-2.85,-0.975) 7(-2.85,-1.625) 8(-2.85,-2.275) 9(2.85,-2.275) 10(2.85,-1.625) 11(2.85,-0.975) 12(2.85,-0.325) 13(2.85,0.325) 14(2.85,0.975) 15(2.85,1.625) 16(2.85,2.275)
  silkscreen extent -3.17,-2.46 1.95,2.95, body extent -3.2,-2.55 3.2,2.55, height 1.2
TSSOP50P310X80-8N [mm] "SOT765, US8, 8-Leads, Body 2,00x2,30mm, Pitch 0,50mm"
  rect 0.65x0.27 smd paste-5: 1(-1.5,0.75)
  rrect50% 0.65x0.27 smd paste-5: 2(-1.5,0.25) 3(-1.5,-0.25) 4(-1.5,-0.75) 5(1.5,-0.75) 6(1.5,-0.25) 7(1.5,0.25) 8(1.5,0.75)
  silkscreen extent -1.82,-0.95 0.95,1.35, body extent -1.54,-1.05 1.54,1.05, height 0.8